# Altium PCB Fastino-DIOT.PCBDOC (part 20 of 22) (continued)
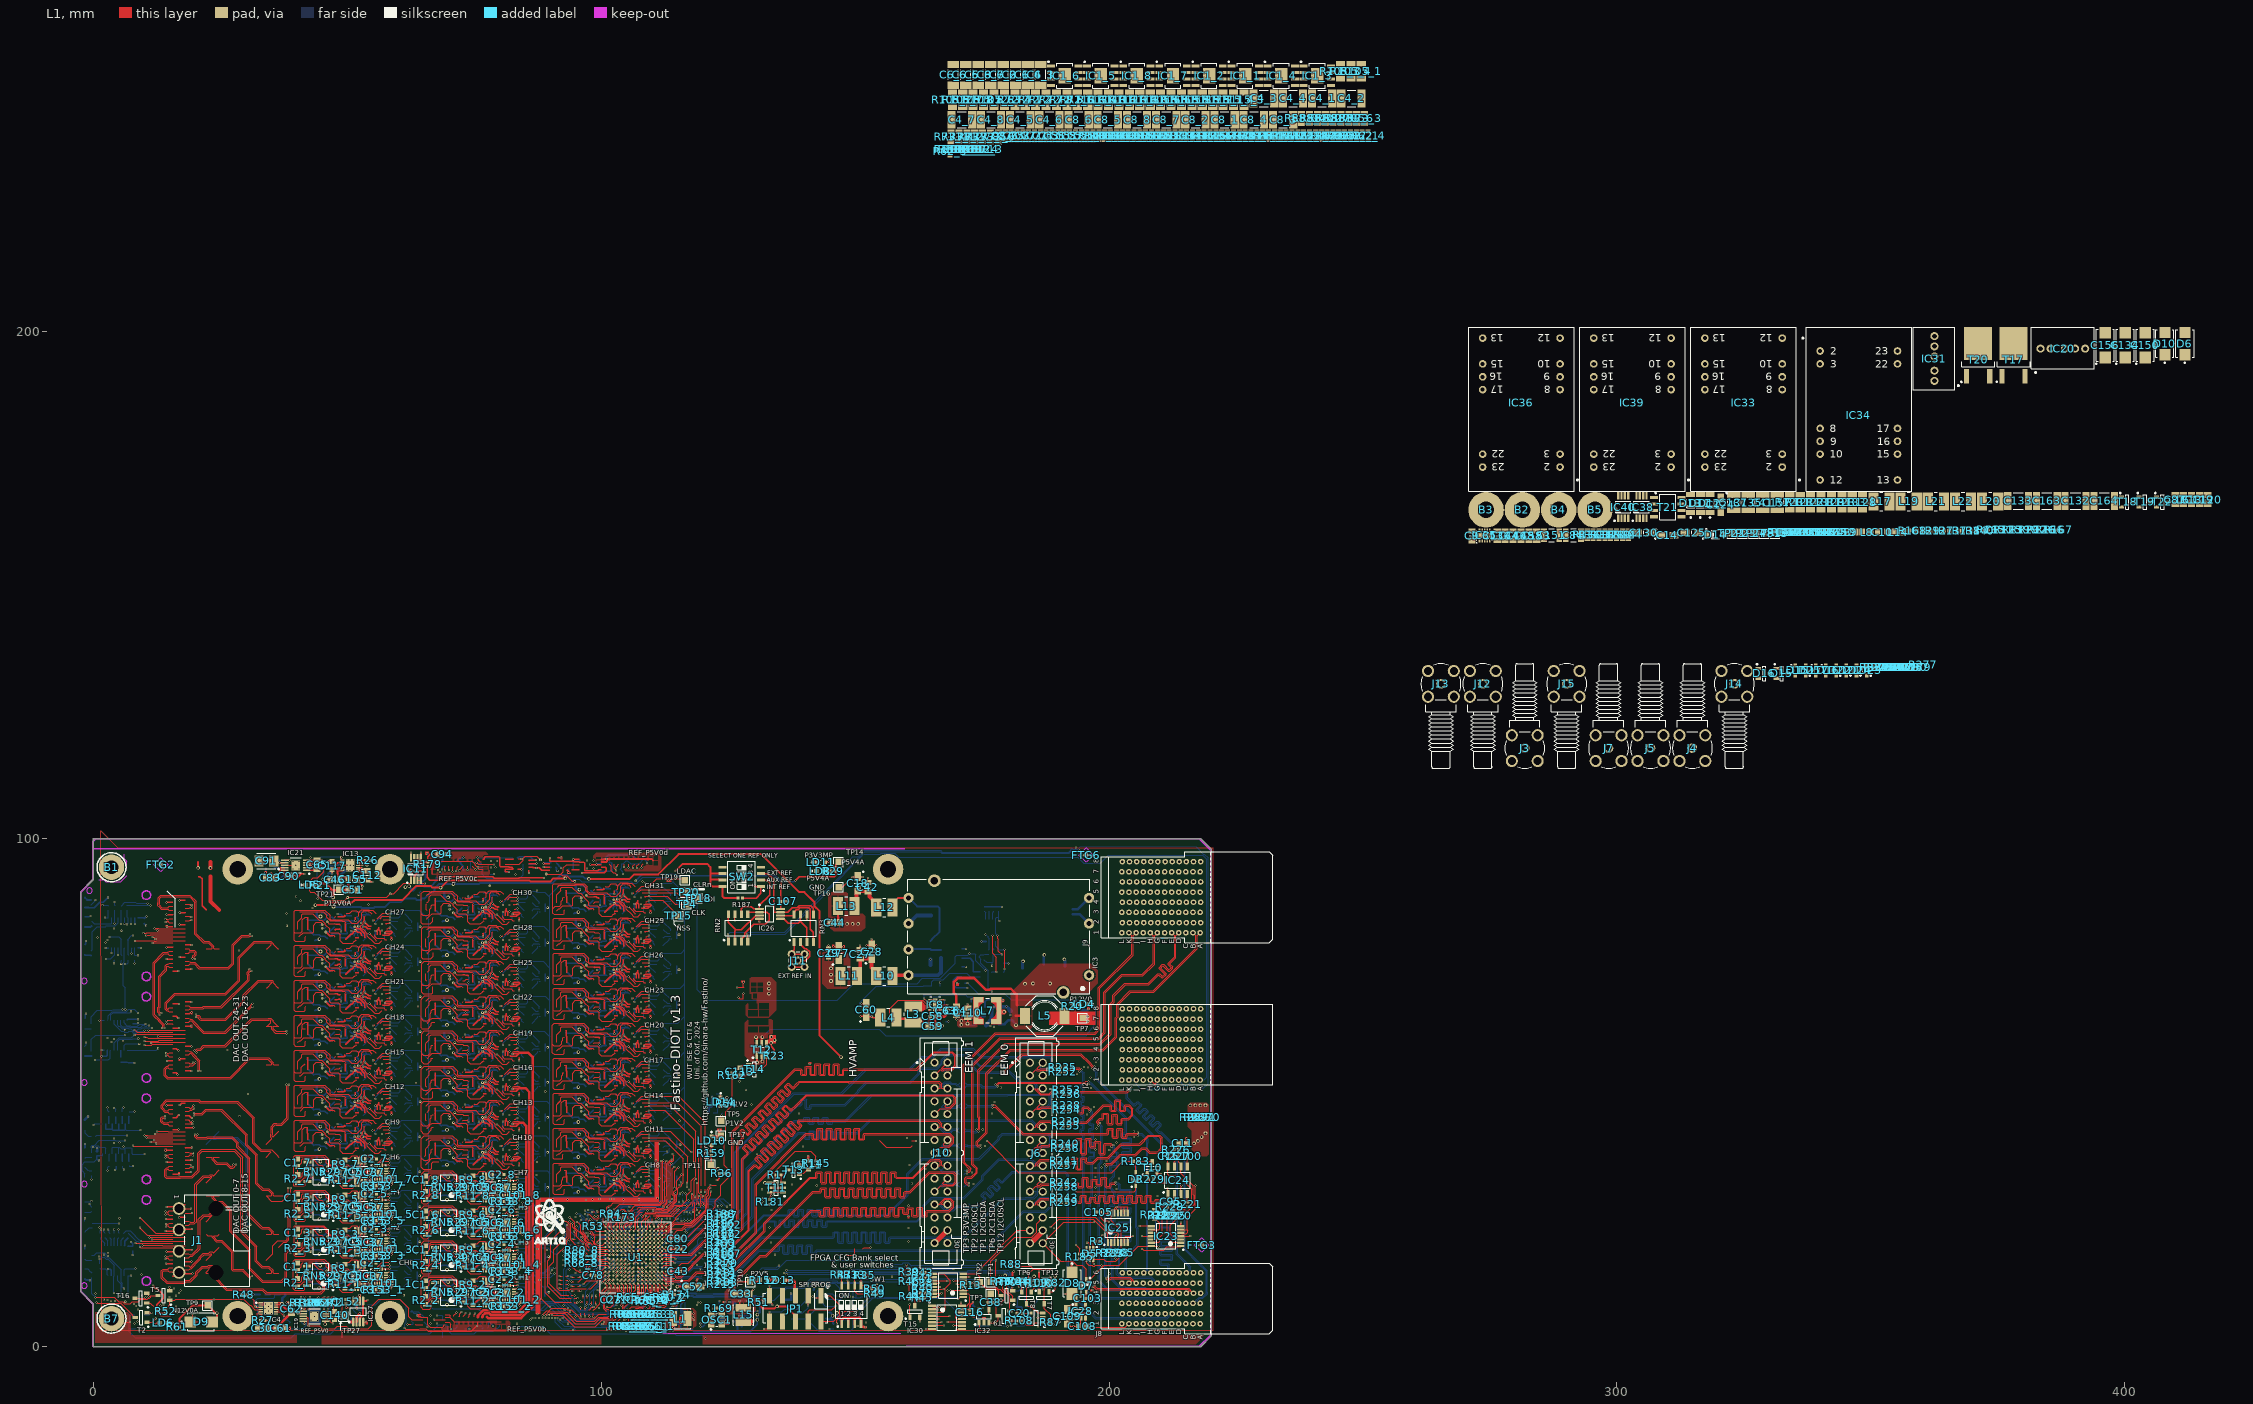
[diagram p0: L1 view]
## Nets (pads, with @x,y where several pads share a name; then routed paths per layer and width w, separated by ;. In a path a pad name is that pad's centre, name@x,y a point inside that pad or via, vN(x,y) a via of type N, cw(c..) or ccw(c..) an arc to the next point about the centre after c; other vN are vias at no path point) (continued)
83.499,58.383 84.374,57.508 84.374,57.228 84.607,56.995 84.633,56.995 ; v1(83.499,59.647) 83.504,59.647 84.734,58.417 84.811,58.417 ; v1(83.499,60.307) 83.788,60.017 85.014,60.017 ; v1(83.499,61.552) 84.622,61.552 84.658,61.516 ; v1(83.499,65.67) 83.499,65.27 84.374,64.394 84.374,64.114 84.607,63.881 84.633,63.881 ; v1(83.499,66.533) 83.504,66.533 84.734,65.304 84.811,65.304 ; v1(83.499,67.194) 83.788,66.904 85.014,66.904 ; v1(83.499,68.438) 84.622,68.438 84.658,68.402 ; v1(83.498,72.539) 83.498,72.139 84.374,71.264 84.374,70.984 84.607,70.75 84.633,70.75 ; v1(83.498,73.402) 83.504,73.402 84.734,72.173 84.81,72.173 ; v1(83.498,74.063) 83.788,73.773 85.014,73.773 ; v1(83.498,75.307) 84.622,75.307 84.658,75.272 ; v1(83.498,79.425) 83.498,79.025 84.374,78.15 84.374,77.87 84.607,77.637 84.633,77.637 ; v1(83.498,80.289) 83.504,80.289 84.734,79.059 84.81,79.059 ; v1(83.498,80.949) 83.788,80.66 85.014,80.66 ; v1(83.498,82.194) 84.622,82.194 84.658,82.158 ; v1(83.498,86.312) 83.498,85.912 84.374,85.037 84.374,84.757 84.607,84.524 84.633,84.524 ; v1(83.498,87.176) 83.504,87.176 84.734,85.946 84.81,85.946 ; v1(83.498,87.836) 83.788,87.546 85.014,87.546 ; 86.385,36.132 86.385,36.157 87.504,37.276 87.504,37.428 87.605,37.529 ; 86.385,37.681 86.708,38.004 87.739,38.004 87.782,37.96 ; 86.385,39.23 86.385,39.205 87.086,38.504 87.59,38.504 87.63,38.545 ; 86.385,40.78 86.385,40.755 87.782,39.358 87.782,39.027 ; 86.385,43.018 86.385,43.043 87.504,44.162 87.504,44.315 87.605,44.415 ; 86.385,44.568 86.708,44.891 87.739,44.891 87.782,44.847 ; 86.385,46.117 86.385,46.092 87.086,45.391 87.59,45.391 87.63,45.431 ; 86.385,47.666 86.385,47.641 87.782,46.244 87.782,45.914 ; 86.385,49.905 86.385,49.93 87.504,51.049 87.504,51.201 87.605,51.302 ; 86.385,51.454 86.708,51.777 87.739,51.777 87.782,51.734 ; 86.385,53.004 86.385,52.979 87.086,52.277 87.59,52.277 87.63,52.318 ; 86.385,54.553 86.385,54.528 87.782,53.131 87.782,52.8 ; 86.385,56.791 86.385,56.816 87.504,57.935 87.504,58.088 87.605,58.188 ; 86.385,58.341 86.708,58.664 87.739,58.664 87.782,58.62 ; 86.385,59.89 86.385,59.865 87.086,59.164 87.59,59.164 87.63,59.204 ; 86.385,61.44 86.385,61.415 87.782,60.017 87.782,59.687 ; 86.385,63.678 86.385,63.703 87.504,64.822 87.504,64.975 87.605,65.075 ; 86.385,65.227 86.708,65.551 87.739,65.551 87.782,65.507 ; 86.385,66.777 86.385,66.752 87.086,66.051 87.59,66.051 87.63,66.091 ; 86.385,68.326 86.385,68.301 87.782,66.904 87.782,66.574 ; 86.385,70.547 86.385,70.572 87.504,71.691 87.504,71.844 87.604,71.944 ; 86.385,72.097 86.708,72.42 87.738,72.42 87.782,72.376 ; 86.385,73.646 86.385,73.621 87.086,72.92 87.59,72.92 87.63,72.96 ; 86.385,75.195 86.385,75.17 87.782,73.773 87.782,73.443 ; 86.385,77.434 86.385,77.459 87.504,78.578 87.504,78.73 87.604,78.831 ; 86.385,78.983 86.708,79.306 87.738,79.306 87.782,79.263 ; 86.385,80.533 86.385,80.508 87.086,79.806 87.59,79.806 87.63,79.847 ; 86.385,82.082 86.385,82.057 87.782,80.66 87.782,80.329 ; 86.385,84.32 86.385,84.345 87.504,85.464 87.504,85.617 87.604,85.717 ; 86.385,85.87 86.708,86.193 87.738,86.193 87.782,86.149 ; 86.385,87.419 86.385,87.394 87.086,86.693 87.59,86.693 87.63,86.733 ; 86.385,88.969 86.385,88.944 87.782,87.546 87.782,87.216 ; 87.786,37.488 88.02,37.488 ; 87.786,44.375 88.02,44.375 ; 87.786,51.261 88.02,51.261 ; 87.786,58.148 88.02,58.148 ; 87.786,65.035 88.02,65.035 ; 87.785,71.904 88.02,71.904 ; 87.785,78.79 88.02,78.79 ; 87.785,85.677 88.02,85.677 ; v1(90.856,5.613) 90.908,5.561 90.908,4.817 92.225,3.5 93.75,3.5 94,3.75 94.5,3.75 95.001,3.249 v1(101.117,3.249) ; v1(91.4,25.725) 91.4,24.675 91.975,24.1 91.975,23.228 93.079,22.124 93.079,20.696 93.598,20.177 94.037,20.177 94.37,19.844 96.447,19.844 97.116,19.175 100.7,19.175 ; v1(91.415,5.613) 91.456,5.572 91.456,5.223 92.675,4.004 94.605,4.004 94.809,3.801 101.355,3.801 101.636,3.52 101.726,3.52 101.997,3.249 v1(102.006,3.249) ; v1(91.897,5.334) 92.345,4.886 93.939,4.886 94.35,4.475 99.621,4.475 100.041,4.055 102.016,4.055 102.822,3.249 v1(102.87,3.249) ; v1(91.929,24.951) 92.886,23.995 92.886,23.785 94.825,21.846 94.825,21.05 ; v1(92.396,5.588) 92.761,5.223 100.244,5.223 100.263,5.242 101.546,5.242 103.265,3.524 103.354,3.524 103.629,3.249 v1(103.632,3.249) ; v1(92.6,21.975) 92.6,21.901 92.825,21.676 92.825,19.8 ; 92.942,34.363 92.949,34.356 93.138,34.356 ; 92.942,41.25 92.949,41.243 93.138,41.243 ; 92.942,48.136 92.949,48.129 93.138,48.129 ; 92.942,55.023 92.949,55.016 93.138,55.016 ; 92.942,61.909 92.949,61.902 93.138,61.902 ; 92.942,68.796 92.949,68.789 93.138,68.789 ; 92.942,75.682 92.949,75.676 93.138,75.676 ; 92.942,82.569 92.949,82.562 93.138,82.562 ; 92.942,89.456 92.949,89.449 93.138,89.449 ; 93.058,34.277 93.138,34.356 ; 93.058,41.163 93.138,41.243 ; 93.058,48.05 93.138,48.129 ; 93.058,54.936 93.138,55.016 ; 93.058,61.823 93.138,61.902 ; 93.058,68.709 93.138,68.789 ; 93.058,75.596 93.138,75.676 ; 93.058,82.483 93.138,82.562 ; 93.058,89.369 93.138,89.449 ; 93.175,34.394 93.138,34.356 ; 93.175,41.28 93.138,41.243 ; 93.175,48.167 93.138,48.129 ; 93.175,55.054 93.138,55.016 ; 93.175,61.94 93.138,61.902 ; 93.175,68.827 93.138,68.789 ; 93.175,75.713 93.138,75.676 ; 93.175,82.6 93.138,82.562 ; 93.175,89.487 93.138,89.449 ; v1(95.105,26.176) 95.876,26.176 96.645,25.408 96.645,24.984 97.185,24.444 97.185,23.571 97.25,23.506 97.25,22.975 ; 95.525,21.6 95.525,23.412 95.734,23.621 95.734,24.613 96,24.879 v1(96,24.9) ; v1(95.624,15.781) 95.698,15.781 95.905,15.574 96.775,15.574 96.976,15.775 97.3,15.775 ; v1(95.775,25.725) 96.391,25.11 96.391,24.879 96.515,24.754 96.515,23.688 96.467,23.64 96.467,22.933 96.5,22.9 ; v1(95.975,16.86) 96.335,16.5 97.75,16.5 ; v1(96.775,26.8) 97.134,26.441 97.707,26.441 98.013,26.134 98.124,26.134 98.25,26.008 98.25,25.925 ; v1(96.825,26.1) 96.825,26.073 97.445,25.453 97.445,23.837 97.507,23.775 97.55,23.775 ; 96.85,21.675 97.25,21.675 v1(97.425,21.85) ; 96.875,21.75 96.912,21.786 96.977,21.786 ; v1(97.405,26.876) 97.444,26.915 98.337,26.915 98.566,26.687 98.566,26.61 98.975,26.2 99.025,26.2 ; 97.925,18.575 97.982,18.518 97.982,18.195 v1(97.964,18.177) ; v1(98.125,17) 98.9,17 99.475,16.425 99.475,16.125 ; 98.402,32.788 98.426,32.788 ; 98.402,39.675 98.426,39.675 ; 98.402,46.562 98.426,46.562 ; 98.402,53.448 98.426,53.448 ; 98.402,60.335 98.426,60.335 ; 98.402,67.221 98.426,67.221 ; 98.402,74.108 98.426,74.108 ; 98.402,80.995 98.426,80.995 ; 98.402,87.881 98.426,87.881 ; 98.78,20.18 99.31,19.65 99.675,19.65 ; 98.8,20.2 97.9,21.1 97.9,21.7 99.023,22.823 99.477,22.823 v1(99.73,23.076) ; v1(99.625,20.3) 99.699,20.3 99.824,20.425 100.15,20.425 ; 99.875,25.25 99.875,25.2 100.009,25.065 100.079,25.065 100.461,24.684 100.461,24.62 v1(100.905,24.176) ; 100.875,23.35 100.875,23.4 101.355,23.88 101.355,26.113 102.141,26.899 102.478,26.899 v1(102.53,26.951) ; 101.42,32.914 101.624,32.71 ; 101.42,39.8 101.624,39.596 ; 101.42,46.687 101.624,46.483 ; 101.42,53.574 101.624,53.37 ; 101.42,60.46 101.624,60.256 ; 101.42,67.347 101.624,67.143 ; 101.42,74.233 101.624,74.029 ; 101.42,81.12 101.624,80.916 ; 101.42,88.006 101.624,87.803 ; 101.588,33.081 101.624,33.117 ; 101.588,39.968 101.624,40.004 ; 101.588,46.854 101.624,46.89 ; 101.588,53.741 101.624,53.777 ; 101.588,60.628 101.624,60.663 ; 101.588,67.514 101.624,67.55 ; 101.588,74.401 101.624,74.437 ; 101.588,81.287 101.624,81.323 ; 101.588,88.174 101.624,88.21 ; 102.1,23.6 102.1,23.65 102.038,23.711 101.988,23.711 101.865,23.834 101.865,25.905 102.267,26.307 102.797,26.307 104.165,27.675 104.171,27.675 104.25,27.754 105.302,27.754 105.438,27.891 105.762,27.891 105.977,27.675 107.175,27.675 107.975,28.475 v1(113.425,28.475) ; 102.77,35.773 102.858,35.862 104.447,35.862 104.846,35.463 105.121,35.463 105.296,35.289 105.495,35.089 ; 102.77,42.66 102.858,42.748 104.447,42.748 104.846,42.35 105.121,42.35 105.296,42.175 105.495,41.976 ; 102.77,49.546 102.858,49.635 104.447,49.635 104.846,49.236 105.121,49.236 105.296,49.062 105.495,48.863 ; 102.77,56.433 102.858,56.522 104.447,56.522 104.846,56.123 105.121,56.123 105.296,55.948 105.495,55.749 ; 102.77,63.319 102.858,63.408 104.447,63.408 104.846,63.009 105.121,63.009 105.296,62.835 105.495,62.636 ; 102.77,70.206 102.858,70.295 104.447,70.295 104.846,69.896 105.121,69.896 105.296,69.722 105.495,69.522 ; 102.77,77.093 102.858,77.181 104.447,77.181 104.846,76.782 105.121,76.782 105.296,76.608 105.495,76.409 ; 102.77,83.979 102.858,84.068 104.447,84.068 104.846,83.669 105.121,83.669 105.296,83.495 105.495,83.295 ; 102.77,90.866 102.858,90.955 104.447,90.955 104.846,90.556 105.121,90.556 105.296,90.381 105.495,90.182 ; 103.151,31.01 103.049,31.112 103.049,31.525 103.362,31.839 103.362,32.581 103.627,32.845 103.627,33.018 103.892,33.283 104.485,33.283 104.522,33.246 ; 103.151,37.897 103.049,37.999 103.049,38.412 103.362,38.725 103.362,39.467 103.627,39.732 103.627,39.904 103.892,40.169 104.485,40.169 104.522,40.132 ; 103.151,44.784 103.049,44.885 103.049,45.298 103.362,45.612 103.362,46.354 103.627,46.619 103.627,46.791 103.892,47.056 104.485,47.056 104.522,47.019 ; 103.151,51.67 103.049,51.772 103.049,52.185 103.362,52.498 103.362,53.24 103.627,53.505 103.627,53.678 103.892,53.943 104.485,53.943 104.522,53.905 ; 103.151,58.557 103.049,58.658 103.049,59.071 103.362,59.385 103.362,60.127 103.627,60.392 103.627,60.564 103.892,60.829 104.485,60.829 104.522,60.792 ; 103.151,65.443 103.049,65.545 103.049,65.958 103.362,66.271 103.362,67.014 103.627,67.278 103.627,67.451 103.892,67.716 104.485,67.716 104.522,67.679 ; 103.151,72.33 103.049,72.432 103.049,72.845 103.362,73.158 103.362,73.9 103.627,74.165 103.627,74.337 103.892,74.602 104.485,74.602 104.522,74.565 ; 103.151,79.217 103.049,79.318 103.049,79.731 103.362,80.045 103.362,80.787 103.627,81.052 103.627,81.224 103.892,81.489 104.485,81.489 104.522,81.452 ; 103.151,86.103 103.049,86.205 103.049,86.618 103.362,86.931 103.362,87.673 103.627,87.938 103.627,88.111 103.892,88.376 104.485,88.376 104.522,88.338 ; 103.798,34.376 103.811,34.389 ; 103.798,41.263 103.811,41.275 ; 103.798,48.149 103.811,48.162 ; 103.798,55.036 103.811,55.048 ; 103.798,61.922 103.811,61.935 ; 103.798,68.809 103.811,68.822 ; 103.798,75.695 103.811,75.708 ; 103.798,82.582 103.811,82.595 ; 103.798,89.469 103.811,89.481 ; 103.811,35.289 104.344,34.755 104.344,34.236 104.487,34.093 104.487,33.738 v1@104.517,33.708 ; 103.811,42.175 104.344,41.642 104.344,41.123 104.487,40.98 104.487,40.624 v1@104.517,40.595 ; 103.811,49.062 104.344,48.528 104.344,48.009 104.487,47.866 104.487,47.511 v1@104.517,47.481 ; 103.811,55.948 104.344,55.415 104.344,54.896 104.487,54.753 104.487,54.397 v1@104.517,54.368 ; 103.811,62.835 104.344,62.302 104.344,61.783 104.487,61.64 104.487,61.284 v1@104.517,61.255 ; 103.811,69.722 104.344,69.188 104.344,68.669 104.487,68.526 104.487,68.171 v1@104.517,68.141 ; 103.811,76.608 104.344,76.075 104.344,75.556 104.487,75.413 104.487,75.057 v1@104.517,75.028 ; 103.811,83.495 104.344,82.961 104.344,82.442 104.487,82.299 104.487,81.944 v1@104.517,81.914 ; 103.811,90.381 104.344,89.848 104.344,89.329 104.487,89.186 104.487,88.83 v1@104.517,88.801 ; v1@104.497,33.696 104.504,33.696 v1@104.517,33.708 ; v1@104.497,40.582 104.504,40.582 v1@104.517,40.595 ; v1@104.497,47.469 104.504,47.469 v1@104.517,47.481 ; v1@104.497,54.355 104.504,54.355 v1@104.517,54.368 ; v1@104.497,61.242 104.504,61.242 v1@104.517,61.255 ; v1@104.497,68.129 104.504,68.129 v1@104.517,68.141 ; v1@104.497,75.015 104.504,75.015 v1@104.517,75.028 ; v1@104.497,81.902 104.504,81.902 v1@104.517,81.914 ; v1@104.497,88.788 104.504,88.788 v1@104.517,88.801 ; v1@104.522,33.703 v1@104.517,33.708 ; v1@104.522,40.589 v1@104.517,40.595 ; v1@104.522,47.476 v1@104.517,47.481 ; v1@104.522,54.363 v1@104.517,54.368 ; v1@104.522,61.249 v1@104.517,61.255 ; v1@104.522,68.136 v1@104.517,68.141 ; v1@104.522,75.022 v1@104.517,75.028 ; v1@104.522,81.909 v1@104.517,81.914 ; v1@104.522,88.796 v1@104.517,88.801 ; 105.1,27.125 105.15,27.125 105.212,27.063 105.212,27.013 105.273,26.952 105.273,26.752 v1(105.325,26.7) ; 105.479,30.365 105.504,30.39 ; 105.479,37.252 105.504,37.277 ; 105.479,44.138 105.504,44.164 ; 105.479,51.025 105.504,51.05 ; 105.479,57.911 105.504,57.937 ; 105.479,64.798 105.504,64.823 ; 105.479,71.684 105.504,71.71 ; 105.479,78.571 105.504,78.596 ; 105.479,85.458 105.504,85.483 ; 106.376,30.68 106.525,30.829 ; 106.376,37.567 106.525,37.716 ; 106.376,44.453 106.525,44.602 ; 106.376,51.34 106.525,51.489 ; 106.376,58.227 106.525,58.376 ; 106.376,65.113 106.525,65.262 ; 106.376,72 106.525,72.149 ; 106.376,78.886 106.525,79.035 ; 106.376,85.773 106.525,85.922 ; 106.495,30.644 106.525,30.675 ; 106.495,37.531 106.525,37.562 ; 106.495,44.418 106.525,44.448 ; 106.495,51.304 106.525,51.335 ; 106.495,58.191 106.525,58.222 ; 106.495,65.077 106.525,65.108 ; 106.495,71.964 106.525,71.995 ; 106.495,78.85 106.525,78.881 ; 106.495,85.737 106.525,85.768 ; v3@106.503,32.052 v3@106.525,32.03 ; v3@106.503,38.938 v3@106.525,38.916 ; v3@106.503,45.825 v3@106.525,45.803 ; v3@106.503,52.712 v3@106.525,52.69 ; v3@106.503,59.598 v3@106.525,59.576 ; v3@106.503,66.485 v3@106.525,66.463 ; v3@106.503,73.371 v3@106.525,73.349 ; v3@106.503,80.258 v3@106.525,80.236 ; v3@106.503,87.145 v3@106.525,87.123 ; v3(106.525,32.062) 106.529,32.065 v3@106.529,32.077 ; v3(106.525,38.948) 106.529,38.952 v3@106.529,38.964 ; v3(106.525,45.835) 106.529,45.838 v3@106.529,45.85 ; v3(106.525,52.721) 106.529,52.725 v3@106.529,52.737 ; v3(106.525,59.608) 106.529,59.611 v3@106.529,59.624 ; v3(106.525,66.495) 106.529,66.498 v3@106.529,66.51 ; v3(106.525,73.381) 106.529,73.385 v3@106.529,73.397 ; v3(106.525,80.268) 106.529,80.271 v3@106.529,80.283 ; v3(106.525,87.154) 106.529,87.158 v3@106.529,87.17 ; v1(107.944,25.802) 107.985,25.762 107.985,24.94 108.025,24.9 ; 108.323,51.203 108.383,51.262 v1(108.383,52.28) ; 108.323,58.089 108.383,58.149 v1(108.383,59.166) ; 108.323,64.976 108.383,65.035 v1(108.383,66.053) ; 108.323,71.862 108.383,71.922 v1(108.383,72.94) ; 108.323,78.749 108.383,78.808 v1(108.383,79.826) ; 108.323,85.635 108.383,85.695 v1(108.383,86.713) ; v1(109.125,26.786) 109.138,26.773 109.138,26.237 109.15,26.225 ; v1(109.374,32.763) 109.374,32.363 110.249,31.488 110.249,31.208 110.482,30.975 110.508,30.975 ; v1(109.374,33.627) 109.379,33.627 110.609,32.397 110.686,32.397 ; v1(109.374,34.287) 109.663,33.997 110.889,33.997 ; v1(109.374,35.532) 110.497,35.532 110.533,35.496 ; v1(109.374,39.65) 109.374,39.249 110.249,38.374 110.249,38.094 110.482,37.861 110.508,37.861 ; v1(109.374,40.513) 109.379,40.513 110.609,39.284 110.686,39.284 ; v1(109.374,41.174) 109.663,40.884 110.889,40.884 ; v1(109.374,42.418) 110.497,42.418 110.533,42.382 ; v1(109.374,46.536) 109.374,46.136 110.249,45.261 110.249,44.981 110.482,44.748 110.508,44.748 ; v1(109.374,47.4) 109.379,47.4 110.609,46.17 110.686,46.17 ; v1(109.374,48.06) 109.663,47.77 110.889,47.77 ; v1(109.374,49.305) 110.497,49.305 110.533,49.269 ; v1(109.374,53.423) 109.374,53.023 110.249,52.148 110.249,51.868 110.482,51.634 110.508,51.634 ; v1(109.374,54.286) 109.379,54.286 110.609,53.057 110.686,53.057 ; v1(109.374,54.947) 109.663,54.657 110.889,54.657 ; v1(109.374,56.191) 110.497,56.191 110.533,56.156 ; v1(109.374,60.309) 109.374,59.909 110.249,59.034 110.249,58.754 110.482,58.521 110.508,58.521 ; v1(109.374,61.173) 109.379,61.173 110.609,59.943 110.686,59.943 ; v1(109.374,61.833) 109.663,61.543 110.889,61.543 ; v1(109.374,63.078) 110.497,63.078 110.533,63.042 ; v1(109.374,67.196) 109.374,66.796 110.249,65.921 110.249,65.641 110.482,65.407 110.508,65.407 ; v1(109.374,68.06) 109.379,68.06 110.609,66.83 110.686,66.83 ; v1(109.374,68.72) 109.663,68.43 110.889,68.43 ; v1(109.374,69.965) 110.497,69.965 110.533,69.929 ; v1(109.374,74.083) 109.374,73.682 110.249,72.807 110.249,72.527 110.482,72.294 110.508,72.294 ; v1(109.374,74.946) 109.379,74.946 110.609,73.716 110.686,73.716 ; v1(109.374,75.607) 109.663,75.317 110.889,75.317 ; v1(109.374,76.851) 110.497,76.851 110.533,76.815 ; v1(109.374,80.969) 109.374,80.569 110.249,79.694 110.249,79.414 110.482,79.181 110.508,79.181 ; v1(109.374,81.833) 109.379,81.833 110.609,80.603 110.686,80.603 ; v1(109.374,82.493) 109.663,82.203 110.889,82.203 ; v1(109.374,83.738) 110.497,83.738 110.533,83.702 ; 109.75,26.225 109.75,26.275 110.104,26.629 110.104,26.728 v1(110.156,26.781) ; 110.66,37.658 110.66,37.683 111.072,38.094 111.097,38.094 111.429,38.427 v1(112.931,38.427) ; v1(110.878,24.753) 110.878,24.147 111.25,23.775 111.25,23.725 ; v1(111.275,25.243) 111.275,25.229 111.94,24.564 111.94,23.685 111.95,23.675 ; 112.26,30.771 112.26,30.796 113.379,31.915 113.379,32.068 113.48,32.168 ; 112.26,32.321 112.583,32.644 113.613,32.644 ; 112.26,33.87 112.26,33.845 112.961,33.144 113.465,33.144 ; 112.26,35.42 112.26,35.395 113.657,33.997 113.657,33.667 ; 112.26,37.658 112.639,38.036 113.092,38.036 113.379,38.323 113.379,38.955 113.48,39.055 ; 112.26,39.207 112.583,39.531 113.613,39.531 ; 112.26,40.757 112.26,40.732 112.961,40.031 113.465,40.031 ; 112.26,42.306 112.26,42.281 113.657,40.884 113.657,40.554 ; 112.26,44.545 112.26,44.57 113.379,45.689 113.379,45.841 113.48,45.942 ; 112.26,46.094 112.583,46.417 113.613,46.417 113.657,46.373 ; 112.26,47.643 112.26,47.618 112.961,46.917 113.465,46.917 113.505,46.958 ; 112.26,49.193 112.26,49.168 113.657,47.771 113.657,47.44 ; 112.26,51.431 112.26,51.456 113.379,52.575 113.379,52.728 113.48,52.828 ; 112.26,52.981 112.583,53.304 113.613,53.304 113.657,53.26 ; 112.26,54.53 112.26,54.505 112.961,53.804 113.465,53.804 113.505,53.844 ; 112.26,56.079 112.26,56.054 113.657,54.657 113.657,54.327 ; 112.26,58.318 112.26,58.343 113.379,59.462 113.379,59.614 113.48,59.715 ; 112.26,59.867 112.583,60.19 113.613,60.19 113.657,60.146 ; 112.26,61.416 112.26,61.391 112.961,60.69 113.465,60.69 113.505,60.731 ; 112.26,62.966 112.26,62.941 113.657,61.544 113.657,61.213 ; 112.26,65.204 112.26,65.229 113.379,66.348 113.379,66.501 113.48,66.601 ; 112.26,66.754 112.583,67.077 113.613,67.077 113.657,67.033 ; 112.26,68.303 112.26,68.278 112.961,67.577 113.465,67.577 113.505,67.617 ; 112.26,69.852 112.26,69.827 113.657,68.43 113.657,68.1 ; 112.26,72.091 112.26,72.116 113.379,73.235 113.379,73.388 113.48,73.488 ; 112.26,73.64 112.583,73.964 113.613,73.964 113.657,73.92 ; 112.26,75.19 112.26,75.165 112.961,74.464 113.465,74.464 113.505,74.504 ; 112.26,76.739 112.26,76.714 113.657,75.317 113.657,74.986 ; 112.26,78.977 112.26,79.002 113.379,80.122 113.379,80.274 113.48,80.374 ; 112.26,80.527 112.583,80.85 113.613,80.85 113.657,80.806 ; 112.26,82.076 112.26,82.051 112.961,81.35 113.465,81.35 113.505,81.39 ; 112.26,83.626 112.26,83.601 113.657,82.203 113.657,81.873 ; 112.26,85.864 112.26,85.889 113.379,87.008 113.379,87.161 113.48,87.261 ; 112.26,87.413 112.583,87.737 113.613,87.737 113.657,87.693 ; 112.26,88.963 112.26,88.938 112.961,88.237 113.465,88.237 113.505,88.277 ; 112.26,90.512 112.26,90.487 113.657,89.09 113.657,88.76 ; 112.425,25.325 112.525,25.225 v1(112.95,25.225) ; v1(113.555,25.259) 113.59,25.225 113.59,24.91 113.625,24.875 ; 113.66,45.901 113.895,45.901 ; 113.66,52.788 113.895,52.788 ; 113.66,59.674 113.895,59.674 ; 113.66,66.561 113.895,66.561 ; 113.66,73.448 113.895,73.448 ; 113.66,80.334 113.895,80.334 ; 113.66,87.221 113.895,87.221 ; v1(114.665,30.168) 114.686,30.147 114.686,29.535 ; 114.741,33.144 114.868,33.144 115.213,33.144 115.429,32.928 115.429,32.767 115.458,32.739 115.458,32.627 115.686,32.399 v1(115.686,32.325) ; v1(115.037,25.121) 115.089,25.173 115.089,25.309 115.518,25.739 115.588,25.739 115.748,25.899 115.748,25.908 ; 115.367,29.54 115.401,29.574 115.401,29.932 115.494,30.025 v1(115.494,30.099) ; v1(116.029,30.302) 116.053,30.277 116.053,29.668 ; v1(116.354,26.489) 116.368,26.475 116.368,25.973 116.37,25.971 ; v1(116.575,30.125) 116.575,30.051 116.728,29.898 116.728,29.627 116.738,29.616 ; v1(116.909,26.466) 117.093,26.282 117.093,25.983 117.069,25.959 ; v1(117.525,26.45) 117.696,26.279 117.696,25.966 117.754,25.908
  L8 w0.152: 1.194,16.332 1.224,16.363 v1(1.224,17.243) ; 1.321,21.412 1.341,21.412 1.555,21.198 1.555,21.018 2.184,20.388 2.184,19.863 ; 1.321,22.352 1.321,22.837 1.507,23.023 v1(1.507,23.041) ; v1(2.042,23.079) 2.042,22.566 2.106,22.501 2.111,22.501 2.261,22.352 ; 2.261,21.412 2.281,21.412 2.494,21.198 2.494,21.181 2.834,20.841 2.834,19.863 ; v1(2.848,23.079) 2.895,23.032 2.964,23.032 3.138,22.858 3.138,22.376 3.175,22.339 ; 3.175,21.399 3.195,21.399 3.484,21.11 3.484,19.863 ; v1(4.08,75.489) 4.08,76.064 4.166,76.149 ; 4.089,21.412 4.134,21.367 4.134,19.863 ; 4.089,22.352 v1(4.089,23.063) ; 4.103,58.399 4.103,59.881 5.042,60.82 7.48,60.82 7.668,61.008 7.752,61.008 v1(8.067,61.322) ; 4.753,58.399 4.753,60.136 5.158,60.541 7.596,60.541 7.718,60.663 v1(8.821,60.663) ; 4.784,19.863 4.784,21.211 4.998,21.425 5.004,21.425 ; v1(4.953,23.079) 4.953,22.416 5.004,22.365 ; 6.053,58.399 6.053,59.327 6.391,59.665 8.98,59.665 v1(9.017,59.628) ; 6.703,58.399 12.4,58.399 v1(12.751,58.75) ; 6.833,22.352 6.853,22.352 8.435,20.769 8.762,20.769 8.998,20.533 8.998,20.207 9.122,20.083 9.122,19.647 v1(9.169,19.599) ; 44.572,41.693 44.587,41.679 v2(45.013,41.679) ; 44.598,48.626 44.613,48.611 v2(45.039,48.611) ; 44.598,55.513 44.613,55.498 v2(45.039,55.498) ; 44.598,62.399 44.613,62.384 v2(45.039,62.384) ; 44.598,69.286 44.613,69.271 v2(45.039,69.271) ; 44.598,76.172 44.613,76.158 v2(45.039,76.158) ; 44.598,83.059 44.613,83.044 v2(45.039,83.044) ; v2(45.013,41.044) v2@45.063,41.044 ; v2(45.039,47.976) v2@45.089,47.976 ; v2(45.039,54.863) v2@45.089,54.863 ; v2(45.039,61.749) v2@45.089,61.749 ; v2(45.039,68.636) v2@45.089,68.636 ; v2(45.039,75.523) v2@45.089,75.523 ; v2(45.039,82.409) v2@45.089,82.409 ; v2@45.063,40.993 45.114,41.044 45.548,41.044 45.842,41.338 ; v2@45.089,82.358 45.14,82.409 45.574,82.409 45.868,82.703 ; v2@45.14,47.976 45.574,47.976 45.868,48.27 ; v2@45.14,54.863 45.574,54.863 45.868,55.157 ; v2@45.14,61.749 45.574,61.749 45.868,62.044 ; v2@45.14,68.636 45.574,68.636 45.868,68.93 ; v2@45.14,75.523 45.574,75.523 45.868,75.817 ; 69.723,38.621 69.738,38.606 v2(70.164,38.606) ; 69.723,45.507 69.738,45.492 v2(70.164,45.492) ; 69.723,52.394 69.738,52.379 v2(70.164,52.379) ; 69.723,59.281 69.738,59.266 v2(70.164,59.266) ; 69.723,66.167 69.738,66.152 v2(70.164,66.152) ; 69.723,73.036 69.738,73.021 v2(70.163,73.021) ; 69.723,79.923 69.738,79.908 v2(70.163,79.908) ; 69.723,86.81 69.738,86.795 v2(70.163,86.795) ; v2(70.164,37.971) v2@70.214,37.971 ; v2(70.164,44.857) v2@70.214,44.857 ; v2(70.164,51.744) v2@70.214,51.744 ; v2(70.164,58.631) v2@70.214,58.631 ; v2(70.164,65.517) v2@70.214,65.517 ; v2(70.163,72.386) v2@70.214,72.386 ; v2(70.163,79.273) v2@70.214,79.273 ; v2(70.163,86.16) v2@70.214,86.16 ; v2@70.214,37.92 70.265,37.971 70.699,37.971 70.993,38.265 ; v2@70.214,44.807 70.265,44.857 70.699,44.857 70.993,45.152 ; v2@70.214,51.693 70.265,51.744 70.699,51.744 70.993,52.038 ; v2@70.214,58.58 70.265,58.631 70.699,58.631 70.993,58.925 ; v2@70.214,65.466 70.265,65.517 70.699,65.517 70.993,65.812 ; v2@70.214,86.109 70.265,86.16 70.699,86.16 70.993,86.454 ; v2@70.265,72.386 70.699,72.386 70.993,72.681 ; v2@70.265,79.273 70.699,79.273 70.993,79.567 ; 95.598,33.261 95.613,33.246 v2(96.039,33.246) ; 95.598,40.147 95.613,40.132 v2(96.039,40.132) ; 95.598,47.034 95.613,47.019 v2(96.039,47.019) ; 95.598,53.92 95.613,53.905 v2(96.039,53.905) ; 95.598,60.807 95.613,60.792 v2(96.039,60.792) ; 95.598,67.693 95.613,67.679 v2(96.039,67.679) ; 95.598,74.58 95.613,74.565 v2(96.039,74.565) ; 95.598,81.467 95.613,81.452 v2(96.039,81.452) ; 95.598,88.353 95.613,88.338 v2(96.039,88.338) ; v2(96.039,32.611) v2@96.089,32.611 ; v2(96.039,39.497) v2@96.089,39.497 ; v2(96.039,46.384) v2@96.089,46.384 ; v2(96.039,53.27) v2@96.089,53.27 ; v2(96.039,60.157) v2@96.089,60.157 ; v2(96.039,67.044) v2@96.089,67.044 ; v2(96.039,73.93) v2@96.089,73.93 ; v2(96.039,80.817) v2@96.089,80.817 ; v2(96.039,87.703) v2@96.089,87.703 ; v2@96.089,32.56 96.14,32.611 96.574,32.611 96.868,32.905 ; v2@96.089,39.446 96.14,39.497 96.574,39.497 96.868,39.792 ; v2@96.089,53.22 96.14,53.27 96.574,53.27 96.868,53.565 ; v2@96.089,60.106 96.14,60.157 96.574,60.157 96.868,60.451 ; v2@96.089,66.993 96.14,67.044 96.574,67.044 96.868,67.338 ; v2@96.089,80.766 96.14,80.817 96.574,80.817 96.868,81.111 ; v2@96.14,46.384 96.574,46.384 96.868,46.678 ; v2@96.14,73.93 96.574,73.93 96.868,74.224 ; v2@96.14,87.703 96.574,87.703 96.868,87.998